# KiCad board austin.kicad_pcb
title: Austin PCB; date: 2022-11-24; rev: v2.2.6; company: Designed By Gondolindrim; note: In partnership with driftingbunnies and PheonixStarr
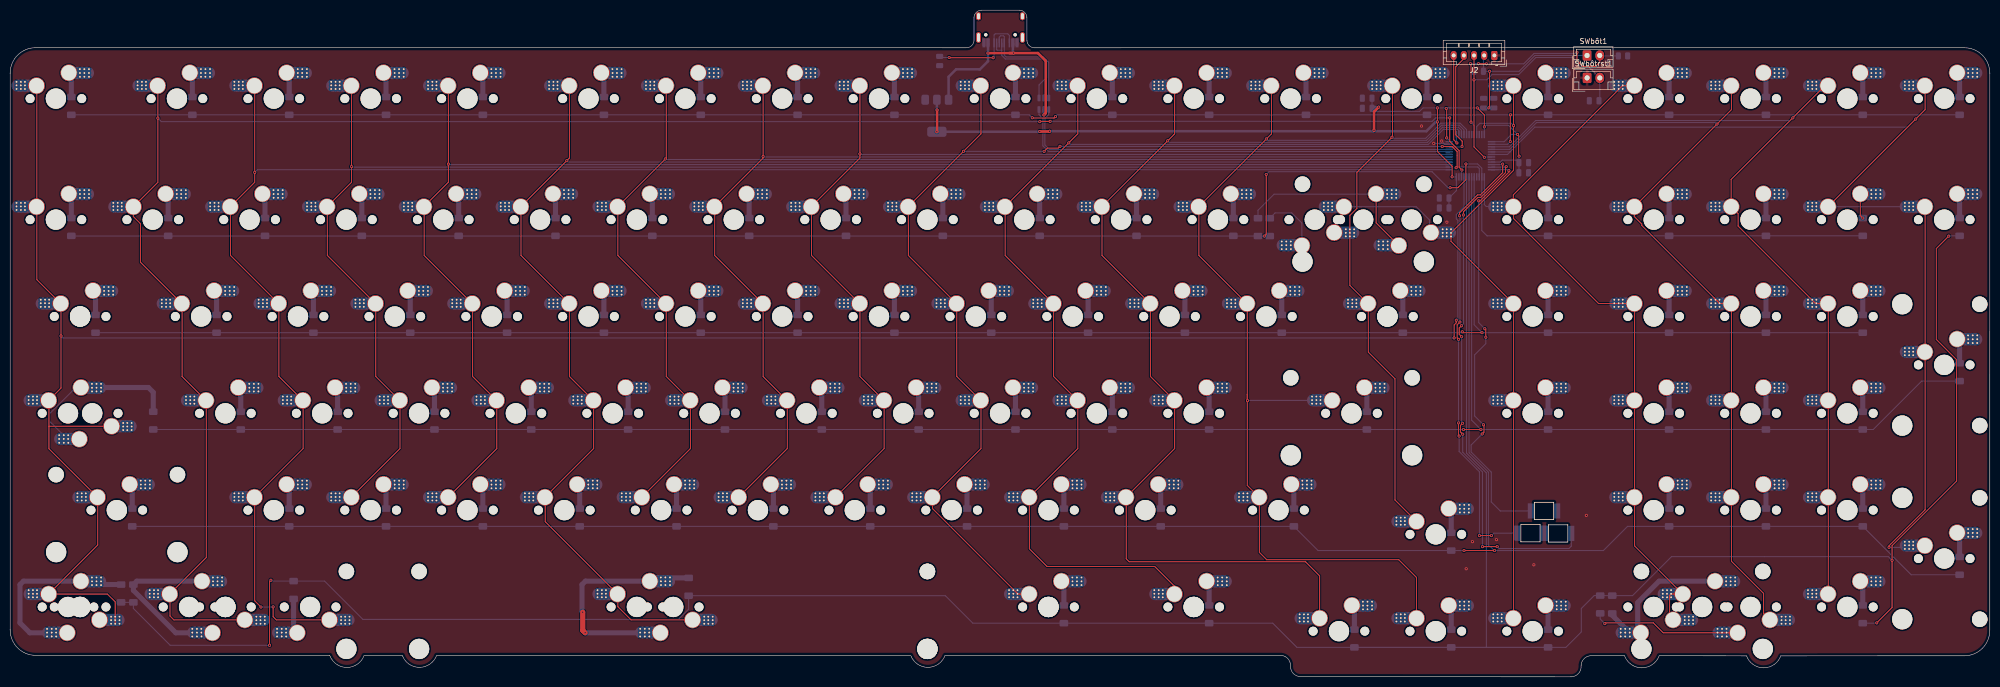
[diagram p0: board, top side]
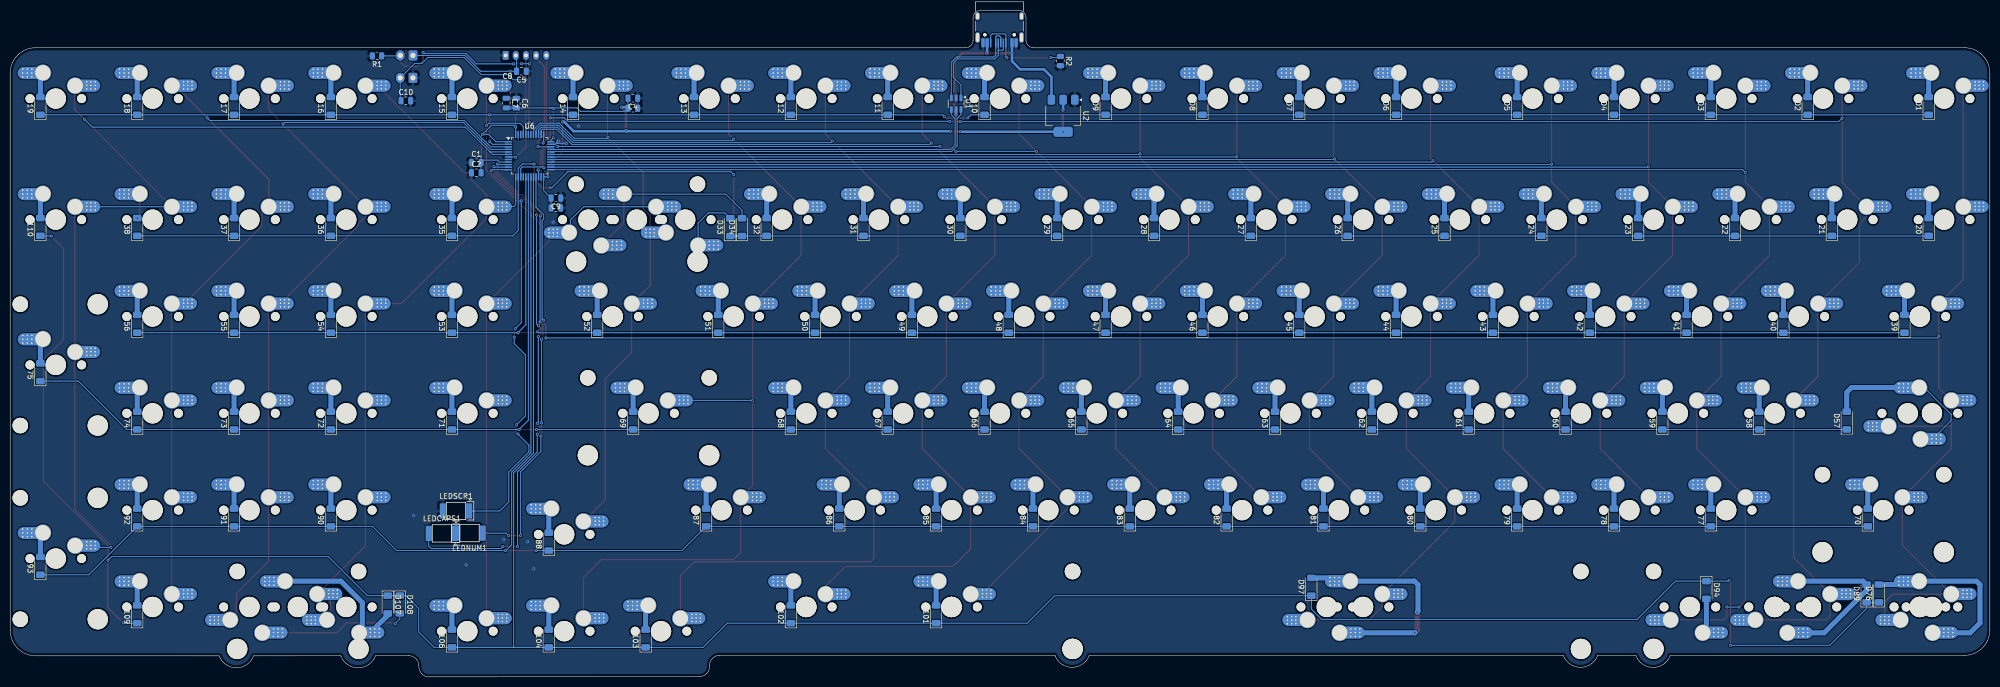
[diagram p1: board, bottom side, seen from below]

Outline 389.45 x 131.16 mm; copper layers: Top, Bottom. Coordinates in mm from the lower left corner of the outline.
Outline path: 0,118.77 arc(1.46,122.31) 5,123.77 188.11,123.76 arc(189.17,124.2) 189.61,125.26 189.61,129.66 arc(190.05,130.72) 191.11,131.16 198.52,131.16 arc(199.58,130.72) 200.02,129.66 200.02,125.26 arc(200.46,124.2) 201.52,123.76 384.45,123.76 arc(387.99,122.3) 389.45,118.76 389.44,9.14 arc(387.98,5.6) 384.44,4.14 348.32,4.13 arc(344.95,1.78) 341.58,4.13 324.41,4.16 arc(321,1.77) 317.58,4.16 311.04,4.16 arc(309.63,3.57) 309.04,2.16 arc(308.51,0.64) 307.04,0 253.87,0.04 arc(252.39,0.69) 251.88,2.23 arc(251.29,3.64) 249.88,4.23 183.92,4.22 arc(180.54,1.86) 177.16,4.22 83.9,4.22 arc(80.52,1.86) 77.14,4.22 69.63,4.2 arc(66.25,1.85) 62.87,4.2 5,4.23 arc(1.46,5.69) 0,9.23 0,118.77
Stack: Top 0.035mm / dielectric 1.51mm FR4 er 4.5 / Bottom 0.035mm

## Placement (name value [footprint] x y rotation side)
C1  100nF  [C_0805_2012Metric]  297.76 101.15 180 bottom
C2  4.7uF  [C_0805_2012Metric]  297.75 99.16 180 bottom
C3  100nF  [C_0805_2012Metric]  266.96 111.85 0 bottom
C4  4.7uF  [C_0805_2012Metric]  266.96 113.83 0 bottom
C5  100nF  [C_0805_2012Metric]  288.88 119.13 0 bottom
C6  4.7uF  [C_0805_2012Metric]  289.88 112.85 270 bottom
C7  100nF  [C_0805_2012Metric]  291.85 112.87 270 bottom
C8  4.7uF  [C_0805_2012Metric]  282.1 92.24 0 bottom
C9  4.7uF  [C_0805_2012Metric]  282.09 94.19 0 bottom
C10  4.7uF  [C_0805_2012Metric]  311.61 113.33 180 bottom
D1  D_Small  [D_MiniMELF]  12.03 112.32 90 bottom
D2  D_Small  [D_MiniMELF]  35.84 112.32 90 bottom
D3  D_Small  [D_MiniMELF]  54.89 112.32 90 bottom
D4  D_Small  [D_MiniMELF]  73.94 112.32 90 bottom
D5  D_Small  [D_MiniMELF]  92.99 112.32 90 bottom
D6  D_Small  [D_MiniMELF]  116.8 112.32 90 bottom
D7  D_Small  [D_MiniMELF]  135.86 112.32 90 bottom
D8  D_Small  [D_MiniMELF]  154.9 112.32 90 bottom
D9  D_Small  [D_MiniMELF]  173.95 112.32 90 bottom
D10  D_Small  [D_MiniMELF]  197.77 112.32 90 bottom
D11  D_Small  [D_MiniMELF]  216.82 112.32 90 bottom
D12  D_Small  [D_MiniMELF]  235.87 112.32 90 bottom
D13  D_Small  [D_MiniMELF]  254.92 112.32 90 bottom
D14  D_Small  [D_MiniMELF]  278.73 112.32 90 bottom
D15  D_Small  [D_MiniMELF]  302.54 112.32 90 bottom
D16  D_Small  [D_MiniMELF]  326.35 112.32 90 bottom
D17  D_Small  [D_MiniMELF]  345.4 112.32 90 bottom
D18  D_Small  [D_MiniMELF]  364.45 112.32 90 bottom
D19  D_Small  [D_MiniMELF]  383.5 112.32 90 bottom
D20  D_Small  [D_MiniMELF]  12.03 88.5 90 bottom
D21  D_Small  [D_MiniMELF]  31.08 88.5 90 bottom
D22  D_Small  [D_MiniMELF]  50.13 88.5 90 bottom
D23  D_Small  [D_MiniMELF]  69.18 88.5 90 bottom
D24  D_Small  [D_MiniMELF]  88.23 88.5 90 bottom
D25  D_Small  [D_MiniMELF]  107.28 88.5 90 bottom
D26  D_Small  [D_MiniMELF]  126.33 88.5 90 bottom
D27  D_Small  [D_MiniMELF]  145.38 88.5 90 bottom
D28  D_Small  [D_MiniMELF]  164.43 88.5 90 bottom
D29  D_Small  [D_MiniMELF]  183.48 88.5 90 bottom
D30  D_Small  [D_MiniMELF]  202.53 88.5 90 bottom
D31  D_Small  [D_MiniMELF]  221.58 88.5 90 bottom
D32  D_Small  [D_MiniMELF]  240.63 88.5 90 bottom
D33  D_Small  [D_MiniMELF]  247.79 88.47 90 bottom
D34  D_Small  [D_MiniMELF]  245.48 88.47 90 bottom
D35  D_Small  [D_MiniMELF]  302.54 88.5 90 bottom
D36  D_Small  [D_MiniMELF]  326.35 88.5 90 bottom
D37  D_Small  [D_MiniMELF]  345.4 88.5 90 bottom
D38  D_Small  [D_MiniMELF]  364.45 88.5 90 bottom
D39  D_Small  [D_MiniMELF]  16.79 69.45 90 bottom
D40  D_Small  [D_MiniMELF]  40.61 69.45 90 bottom
D41  D_Small  [D_MiniMELF]  59.65 69.45 90 bottom
D42  D_Small  [D_MiniMELF]  78.7 69.45 90 bottom
D43  D_Small  [D_MiniMELF]  97.76 69.45 90 bottom
D44  D_Small  [D_MiniMELF]  116.8 69.45 90 bottom
D45  D_Small  [D_MiniMELF]  135.86 69.45 90 bottom
D46  D_Small  [D_MiniMELF]  154.9 69.45 90 bottom
D47  D_Small  [D_MiniMELF]  173.95 69.45 90 bottom
D48  D_Small  [D_MiniMELF]  193 69.45 90 bottom
D49  D_Small  [D_MiniMELF]  212.06 69.45 90 bottom
D50  D_Small  [D_MiniMELF]  231.1 69.45 90 bottom
D51  D_Small  [D_MiniMELF]  250.15 69.45 90 bottom
D52  D_Small  [D_MiniMELF]  273.97 69.45 90 bottom
D53  D_Small  [D_MiniMELF]  302.54 69.45 90 bottom
D54  D_Small  [D_MiniMELF]  326.35 69.45 90 bottom
D55  D_Small  [D_MiniMELF]  345.4 69.45 90 bottom
D56  D_Small  [D_MiniMELF]  364.45 69.45 90 bottom
D57  D_Small  [D_MiniMELF]  28.15 50.41 90 bottom
D58  D_Small  [D_MiniMELF]  45.37 50.41 90 bottom
D59  D_Small  [D_MiniMELF]  64.42 50.41 90 bottom
D60  D_Small  [D_MiniMELF]  83.47 50.41 90 bottom
D61  D_Small  [D_MiniMELF]  102.52 50.41 90 bottom
D62  D_Small  [D_MiniMELF]  121.57 50.41 90 bottom
D63  D_Small  [D_MiniMELF]  140.62 50.41 90 bottom
D64  D_Small  [D_MiniMELF]  159.67 50.41 90 bottom
D65  D_Small  [D_MiniMELF]  178.72 50.41 90 bottom
D66  D_Small  [D_MiniMELF]  197.77 50.41 90 bottom
D67  D_Small  [D_MiniMELF]  216.82 50.41 90 bottom
D68  D_Small  [D_MiniMELF]  235.87 50.41 90 bottom
D69  D_Small  [D_MiniMELF]  266.9 50.41 90 bottom
D70  D_Small  [D_MiniMELF]  24.01 31.35 90 bottom
D71  D_Small  [D_MiniMELF]  302.54 50.41 90 bottom
D72  D_Small  [D_MiniMELF]  326.35 50.41 90 bottom
D73  D_Small  [D_MiniMELF]  345.4 50.41 90 bottom
D74  D_Small  [D_MiniMELF]  364.45 50.41 90 bottom
D75  D_Small  [D_MiniMELF]  383.5 59.93 90 bottom
D76  D_Small  [D_MiniMELF]  21.82 16.41 90 bottom
D77  D_Small  [D_MiniMELF]  54.89 31.35 90 bottom
D78  D_Small  [D_MiniMELF]  73.94 31.35 90 bottom
D79  D_Small  [D_MiniMELF]  92.99 31.35 90 bottom
D80  D_Small  [D_MiniMELF]  112.04 31.35 90 bottom
D81  D_Small  [D_MiniMELF]  131.09 31.35 90 bottom
D82  D_Small  [D_MiniMELF]  150.14 31.35 90 bottom
D83  D_Small  [D_MiniMELF]  169.19 31.35 90 bottom
D84  D_Small  [D_MiniMELF]  188.24 31.35 90 bottom
D85  D_Small  [D_MiniMELF]  207.29 31.35 90 bottom
D86  D_Small  [D_MiniMELF]  226.34 31.35 90 bottom
D87  D_Small  [D_MiniMELF]  252.54 31.35 90 bottom
D88  D_Small  [D_MiniMELF]  283.49 26.59 90 bottom
D89  D_Small  [D_MiniMELF]  24.24 16.41 90 bottom
D90  D_Small  [D_MiniMELF]  326.35 31.35 90 bottom
D91  D_Small  [D_MiniMELF]  345.4 31.35 90 bottom
D92  D_Small  [D_MiniMELF]  364.45 31.35 90 bottom
D93  D_Small  [D_MiniMELF]  383.5 21.83 90 bottom
D94  D_Small  [D_MiniMELF]  55.76 17.08 270 bottom
D97  D_Small  [D_MiniMELF]  133.47 17.71 90 bottom
D101  D_Small  [D_MiniMELF]  207.29 12.3 90 bottom
D102  D_Small  [D_MiniMELF]  235.87 12.3 90 bottom
D103  D_Small  [D_MiniMELF]  264.44 7.54 90 bottom
D104  D_Small  [D_MiniMELF]  283.49 7.54 90 bottom
D106  D_Small  [D_MiniMELF]  302.54 7.54 90 bottom
D107  D_Small  [D_MiniMELF]  315.17 14.22 270 bottom
D108  D_Small  [D_MiniMELF]  312.8 14.23 270 bottom
D109  D_Small  [D_MiniMELF]  364.45 12.3 90 bottom
D110  D_Small  [D_MiniMELF]  383.5 88.5 90 bottom
J1  USB_C_Receptacle_USB2.0_16P  [USB_C_Receptacle_HRO_TYPE-C-31-M-12]  194.81 128.91 0 bottom
J2  Conn_01x05_Socket  [JST_PH_B5B-PH-K_1x05_P2.00mm_Vertical]  291.97 122.25 180 top
LEDCAPS1  LED  [LED-6028]  304.52 23.13 0 bottom
LEDNUM1  LED  [LED-6028]  299.08 33.35 180 bottom
LEDSCR1  LED  [LED-6028#2]  301.75 27.55 0 bottom
R1  R_Small  [R_0805_2012Metric]  317.28 122.15 0 bottom
R2  R_Small  [R_0805_2012Metric]  182.85 121.15 270 bottom
SW1  SW_Push  [MXOnly-1U-Hotswap]  9 113.76 0 top
SW2  SW_Push  [MXOnly-1U-Hotswap]  32.81 113.76 0 top
SW3  SW_Push  [MXOnly-1U-Hotswap]  51.86 113.76 0 top
SW4  SW_Push  [MXOnly-1U-Hotswap]  70.91 113.76 0 top
SW5  SW_Push  [MXOnly-1U-Hotswap]  89.96 113.76 0 top
SW6  SW_Push  [MXOnly-1U-Hotswap]  113.77 113.76 0 top
SW7  SW_Push  [MXOnly-1U-Hotswap]  132.82 113.76 0 top
SW8  SW_Push  [MXOnly-1U-Hotswap]  151.88 113.76 0 top
SW9  SW_Push  [MXOnly-1U-Hotswap]  170.92 113.76 0 top
SW10  SW_Push  [MXOnly-1U-Hotswap]  194.74 113.76 0 top
SW11  SW_Push  [MXOnly-1U-Hotswap]  213.79 113.76 0 top
SW12  SW_Push  [MXOnly-1U-Hotswap]  232.84 113.76 0 top
SW13  SW_Push  [MXOnly-1U-Hotswap]  251.89 113.76 0 top
SW14  SW_Push  [MXOnly-1U-Hotswap]  275.7 113.76 0 top
SW15  SW_Push  [MXOnly-1U-Hotswap]  299.51 113.76 0 top
SW16  SW_Push  [MXOnly-1U-Hotswap]  323.32 113.76 0 top
SW17  SW_Push  [MXOnly-1U-Hotswap]  342.38 113.76 0 top
SW18  SW_Push  [MXOnly-1U-Hotswap]  361.42 113.76 0 top
SW19  SW_Push  [MXOnly-1U-Hotswap]  380.47 113.76 0 top
SW20  SW_Push  [MXOnly-1U-Hotswap]  9 89.94 0 top
SW21  SW_Push  [MXOnly-1U-Hotswap]  28.05 89.94 0 top
SW22  SW_Push  [MXOnly-1U-Hotswap]  47.1 89.94 0 top
SW23  SW_Push  [MXOnly-1U-Hotswap]  66.15 89.94 0 top
SW24  SW_Push  [MXOnly-1U-Hotswap]  85.2 89.94 0 top
SW25  SW_Push  [MXOnly-1U-Hotswap]  104.25 89.94 0 top
SW26  SW_Push  [MXOnly-1U-Hotswap]  123.3 89.94 0 top
SW27  SW_Push  [MXOnly-1U-Hotswap]  142.35 89.94 0 top
SW28  SW_Push  [MXOnly-1U-Hotswap]  161.4 89.94 0 top
SW29  SW_Push  [MXOnly-1U-Hotswap]  180.45 89.94 0 top
SW30  SW_Push  [MXOnly-1U-Hotswap]  199.5 89.94 0 top
SW31  SW_Push  [MXOnly-1U-Hotswap]  218.55 89.94 0 top
SW32  SW_Push  [MXOnly-1U-Hotswap]  237.6 89.94 0 top
SW33  SW_Push  [MXOnly-1U-Hotswap]  256.65 89.94 180 top
SW34  SW_Push  [MXOnly-1U-Hotswap]  275.7 89.94 180 top
SW35  SW_Push  [MXOnly-1U-Hotswap]  299.51 89.94 0 top
SW36  SW_Push  [MXOnly-1U-Hotswap]  323.32 89.94 0 top
SW37  SW_Push  [MXOnly-1U-Hotswap]  342.38 89.94 0 top
SW38  SW_Push  [MXOnly-1U-Hotswap]  361.42 89.94 0 top
SW39  SW_Push  [MXOnly-1.5U-Hotswap]  13.76 70.89 0 top
SW40  SW_Push  [MXOnly-1U-Hotswap]  37.58 70.89 0 top
SW41  SW_Push  [MXOnly-1U-Hotswap]  56.62 70.89 0 top
SW42  SW_Push  [MXOnly-1U-Hotswap]  75.67 70.89 0 top
SW43  SW_Push  [MXOnly-1U-Hotswap]  94.73 70.89 0 top
SW44  SW_Push  [MXOnly-1U-Hotswap]  113.77 70.89 0 top
SW45  SW_Push  [MXOnly-1U-Hotswap]  132.82 70.89 0 top
SW46  SW_Push  [MXOnly-1U-Hotswap]  151.88 70.89 0 top
SW47  SW_Push  [MXOnly-1U-Hotswap]  170.92 70.89 0 top
SW48  SW_Push  [MXOnly-1U-Hotswap]  189.97 70.89 0 top
SW49  SW_Push  [MXOnly-1U-Hotswap]  209.02 70.89 0 top
SW50  SW_Push  [MXOnly-1U-Hotswap]  228.07 70.89 0 top
SW51  SW_Push  [MXOnly-1U-Hotswap]  247.12 70.89 0 top
SW52  SW_Push  [MXOnly-1.5U-Hotswap]  270.94 70.89 0 top
SW53  SW_Push  [MXOnly-1U-Hotswap]  299.51 70.89 0 top
SW54  SW_Push  [MXOnly-1U-Hotswap]  323.32 70.89 0 top
SW55  SW_Push  [MXOnly-1U-Hotswap]  342.38 70.89 0 top
SW56  SW_Push  [MXOnly-1U-Hotswap]  361.42 70.89 0 top
SW57  SW_Push  [MXOnly-1.75U-Hotswap]  16.14 51.84 180 top
SW58  SW_Push  [MXOnly-1U-Hotswap]  42.34 51.84 0 top
SW59  SW_Push  [MXOnly-1U-Hotswap]  61.39 51.84 0 top
SW60  SW_Push  [MXOnly-1U-Hotswap]  80.44 51.84 0 top
SW61  SW_Push  [MXOnly-1U-Hotswap]  99.49 51.84 0 top
SW62  SW_Push  [MXOnly-1U-Hotswap]  118.54 51.84 0 top
SW63  SW_Push  [MXOnly-1U-Hotswap]  137.59 51.84 0 top
SW64  SW_Push  [MXOnly-1U-Hotswap]  156.64 51.84 0 top
SW65  SW_Push  [MXOnly-1U-Hotswap]  175.69 51.84 0 top
SW66  SW_Push  [MXOnly-1U-Hotswap]  194.74 51.84 0 top
SW67  SW_Push  [MXOnly-1U-Hotswap]  213.79 51.84 0 top
SW68  SW_Push  [MXOnly-1U-Hotswap]  232.84 51.84 0 top
SW69  SW_Push  [MXOnly-2.25U-Hotswap]  263.87 51.84 0 top
SW70  SW_Push  [MXOnly-2.25U-Hotswap]  20.98 32.79 0 top
SW71  SW_Push  [MXOnly-1U-Hotswap]  299.51 51.84 0 top
SW72  SW_Push  [MXOnly-1U-Hotswap]  323.32 51.84 0 top
SW73  SW_Push  [MXOnly-1U-Hotswap]  342.38 51.84 0 top
SW74  SW_Push  [MXOnly-1U-Hotswap]  361.42 51.84 0 top
SW75  SW_Push  [MXOnly-2U-Hotswap-ReversedVerticalStabilizers]  380.47 61.37 0 top
SW76  SW_Push  [MXOnly-1.25U-Hotswap]  11.38 13.74 0 top
SW77  SW_Push  [MXOnly-1U-Hotswap]  51.86 32.79 0 top
SW78  SW_Push  [MXOnly-1U-Hotswap]  70.91 32.79 0 top
SW79  SW_Push  [MXOnly-1U-Hotswap]  89.96 32.79 0 top
SW80  SW_Push  [MXOnly-1U-Hotswap]  109.01 32.79 0 top
SW81  SW_Push  [MXOnly-1U-Hotswap]  128.06 32.79 0 top
SW82  SW_Push  [MXOnly-1U-Hotswap]  147.11 32.79 0 top
SW83  SW_Push  [MXOnly-1U-Hotswap]  166.16 32.79 0 top
SW84  SW_Push  [MXOnly-1U-Hotswap]  185.21 32.79 0 top
SW85  SW_Push  [MXOnly-1U-Hotswap]  204.26 32.79 0 top
SW86  SW_Push  [MXOnly-1U-Hotswap]  223.31 32.79 0 top
SW87  SW_Push  [MXOnly-1.75U-Hotswap]  249.51 32.79 0 top
SW88  SW_Push  [MXOnly-1U-Hotswap]  280.46 28.03 0 top
SW89  SW_Push  [MXOnly-1.25U-Hotswap]  35.19 13.74 0 top
SW90  SW_Push  [MXOnly-1U-Hotswap]  323.32 32.79 0 top
SW91  SW_Push  [MXOnly-1U-Hotswap]  342.38 32.79 0 top
SW92  SW_Push  [MXOnly-1U-Hotswap]  361.42 32.79 0 top
SW93  SW_Push  [MXOnly-2U-Hotswap-ReversedVerticalStabilizers]  380.47 23.27 0 top
SW94  SW_Push  [MXOnly-1.25U-Hotswap]  59.01 13.74 180 top
SW97  SW_Push  [MXOnly-6.25U-Hotswap-ReversedStabilizers]  130.44 13.74 180 top
SW101  SW_Push  [MXOnly-1.5U-Hotswap]  204.26 13.74 0 top
SW102  SW_Push  [MXOnly-1.5U-Hotswap]  232.84 13.74 0 top
SW103  SW_Push  [MXOnly-1U-Hotswap]  261.41 8.98 0 top
SW104  SW_Push  [MXOnly-1U-Hotswap]  280.46 8.98 0 top
SW106  SW_Push  [MXOnly-1U-Hotswap]  299.51 8.98 0 top
SW107  SW_Push  [MXOnly-1U-Hotswap]  323.32 13.74 180 top
SW108  SW_Push  [MXOnly-1U-Hotswap]  342.38 13.74 180 top
SW109  SW_Push  [MXOnly-1U-Hotswap]  361.42 13.74 0 top
SW110  SW_Push  [MXOnly-1U-Hotswap]  380.47 89.94 0 top
SW1000  SW_Push  [MXOnly-2U-Hotswap]  266.17 89.94 0 top
SW1001  SW_Push  [MXOnly-1.25U-Hotswap]  11.38 51.84 0 top
SW1002  SW_Push  [MXOnly-2U-Hotswap]  332.85 13.74 0 top
SW1003  SW_Push  [MXOnly-7U-Hotswap]  123.3 13.75 0 top
SW1004  SW_Push  [MXOnly-1.5U-Hotswap]  42.34 13.74 180 top
SW1005  SW_Push  [MXOnly-1.5U-Hotswap]  13.76 13.74 180 top
SWbôt1  SW_Push  [JST_EH_B2B-EH-A_1x02_P2.50mm_Vertical]  310.21 122.24 0 top
SWbôtrst1  SW_Push  [JST_EH_B2B-EH-A_1x02_P2.50mm_Vertical]  310.22 117.83 0 top
U1  USBLC6-2SC6  [SOT-23-6]  203.35 112.74 270 bottom
U2  AMS1117  [SOT-223-3_TabPin2]  182.31 110.38 270 bottom
U6  STM32F072-LQFP48  [LQFP-48_7x7mm_P0.5mm]  287.25 102.52 180 bottom

## Library data of the parts
C1-C10 = -: Description: Unpolarized capacitor, small symbol; ki_fp_filters: C_*
D1-D94 D97 D101-D104 D106-D110 = -: Description: Diode, small symbol; Sim.Device: D; Sim.Pins: 1=K 2=A; ki_fp_filters: TO-???* *_Diode_* *SingleDiode* D_*
J1 = -: Datasheet: https://www.usb.org/sites/default/files/documents/usb_type-c.zip; Description: USB 2.0-only 16P Type-C Receptacle connector; ki_fp_filters: USB*C*Receptacle*
J2 = -: Description: Generic connector, single row, 01x05, script generated; ki_fp_filters: Connector*:*_1x??_*
LEDCAPS1 LEDNUM1 LEDSCR1 = -: Description: Light emitting diode; ki_fp_filters: LED* LED_SMD:* LED_THT:*
R1 R2 = -: Description: Resistor, small symbol; ki_fp_filters: R_*
SW1-SW94 SW97 SW101-SW104 SW106-SW110 SW1000-SW1005 SWbôt1 SWbôtrst1 = -: Description: Push button switch, generic, two pins
U1 = -: Datasheet: https://www.st.com/resource/en/datasheet/usblc6-2.pdf; Description: Very low capacitance ESD protection diode, 2 data-line, SOT-23-6; ki_fp_filters: SOT?23*
U2 = -: Datasheet: http://www.advanced-monolithic.com/pdf/ds1117.pdf; Description: 1A Low Dropout regulator, positive, adjustable output, SOT-223; ki_fp_filters: SOT?223*TabPin2*

## Footprints (pads in the part's own frame, mm; a bottom-side part is the same pattern mirrored in y, then rotated)
C_0805_2012Metric
  rrect 1x1.45 smd: 1(-0.95,0) 2(0.95,0)
D_MiniMELF
  rrect 1.3x1.7 smd: 1(-1.75,0) 2(1.75,0)
JST_EH_B2B-EH-A_1x02_P2.50mm_Vertical
  rrect 1.7x2 hole 1: 1(0,0)
  oval 1.7x2 hole 1: 2(2.5,0)
JST_PH_B5B-PH-K_1x05_P2.00mm_Vertical
  rrect 1.2x1.75 hole 0.75: 1(0,0)
  oval 1.2x1.75 hole 0.75: 2(2,0) 3(4,0) 4(6,0) 5(8,0)
LED-6028
  rect 1.19x3 smd: 1(2.595,-5.08) 2(-2.595,-5.08)
LED-6028#2
  rect 1.19x3 smd: 1(-2.595,-5.08) 2(2.595,-5.08)
LQFP-48_7x7mm_P0.5mm
  rrect 1.475x0.3 smd: 1(-4.162,2.75) 2(-4.162,2.25) 3(-4.162,1.75) 4(-4.162,1.25) 5(-4.162,0.75) 6(-4.162,0.25) 7(-4.162,-0.25) 8(-4.162,-0.75) 9(-4.162,-1.25) 10(-4.162,-1.75) 11(-4.162,-2.25) 12(-4.162,-2.75) 25(4.162,-2.75) 26(4.162,-2.25) 27(4.162,-1.75) 28(4.162,-1.25) 29(4.162,-0.75) 30(4.162,-0.25) 31(4.162,0.25) 32(4.162,0.75) 33(4.162,1.25) 34(4.162,1.75) 35(4.162,2.25) 36(4.162,2.75)
  rrect 0.3x1.475 smd: 13(-2.75,-4.162) 14(-2.25,-4.162) 15(-1.75,-4.162) 16(-1.25,-4.162) 17(-0.75,-4.162) 18(-0.25,-4.162) 19(0.25,-4.162) 20(0.75,-4.162) 21(1.25,-4.162) 22(1.75,-4.162) 23(2.25,-4.162) 24(2.75,-4.162) 37(2.75,4.162) 38(2.25,4.162) 39(1.75,4.162) 40(1.25,4.162) 41(0.75,4.162) 42(0.25,4.162) 43(-0.25,4.162) 44(-0.75,4.162) 45(-1.25,4.162) 46(-1.75,4.162) 47(-2.25,4.162) 48(-2.75,4.162)
MXOnly-1.5U-Hotswap
  round 1.75 hole 1.75 unplated: (-5.08,0) (5.08,0)
  round 3.988 hole 3.988 unplated: (0,0)
  round 4 hole 4 unplated: (0,0)
  round 3.3 hole 3: 1(2.54,5.08) 2(-3.81,2.54)
  round 0.4 hole 0.3: 1(4.7,5.8) 1(4.725,5.035) 1(4.725,4.3) 1(5.6,5.8) 1(5.6,5.035) 1(5.6,4.3) 1(6.5,5.8) 1(6.5,5.035) 1(6.5,4.3) 2(-7.75,3.3) 2(-7.75,2.6) 2(-7.75,1.9) 2(-6.9,3.3) 2(-6.9,2.6) 2(-6.9,1.9) 2(-6.1,3.3) 2(-6.1,2.6) 2(-6.1,1.9)
  oval 5.5x2.41 smd far side: 1(4.75,5.035) 2(-6,2.55)
MXOnly-1.25U-Hotswap
  round 1.75 hole 1.75 unplated: (-5.08,0) (5.08,0)
  round 3.988 hole 3.988 unplated: (0,0)
  round 3.3 hole 3: 1(2.54,5.08) 2(-3.81,2.54)
  round 0.4 hole 0.3: 1(4.7,5.8) 1(4.725,5.035) 1(4.725,4.3) 1(5.6,5.8) 1(5.6,5.035) 1(5.6,4.3) 1(6.5,5.8) 1(6.5,5.035) 1(6.5,4.3) 2(-7.75,3.3) 2(-7.75,2.6) 2(-7.75,1.9) 2(-6.9,3.3) 2(-6.9,2.6) 2(-6.9,1.9) 2(-6.1,3.3) 2(-6.1,2.6) 2(-6.1,1.9)
  oval 5.5x2.41 smd far side: 1(4.75,5.035) 2(-6,2.55)
MXOnly-1.75U-Hotswap
  round 1.75 hole 1.75 unplated: (-5.08,0) (5.08,0)
  round 3.988 hole 3.988 unplated: (0,0)
  round 3.3 hole 3: 1(2.54,5.08) 2(-3.81,2.54)
  round 0.4 hole 0.3: 1(4.7,5.8) 1(4.725,5.035) 1(4.725,4.3) 1(5.6,5.8) 1(5.6,5.035) 1(5.6,4.3) 1(6.5,5.8) 1(6.5,5.035) 1(6.5,4.3) 2(-7.75,3.3) 2(-7.75,2.6) 2(-7.75,1.9) 2(-6.9,3.3) 2(-6.9,2.6) 2(-6.9,1.9) 2(-6.1,3.3) 2(-6.1,2.6) 2(-6.1,1.9)
  oval 5.5x2.41 smd far side: 1(4.75,5.035) 2(-6,2.55)
MXOnly-1U-Hotswap
  round 1.75 hole 1.75 unplated: (-5.08,0) (5.08,0)
  round 3.988 hole 3.988 unplated: (0,0)
  round 3.3 hole 3: 1(2.54,5.08) 2(-3.81,2.54)
  round 0.4 hole 0.3: 1(4.7,5.8) 1(4.725,5.035) 1(4.725,4.3) 1(5.6,5.8) 1(5.6,5.035) 1(5.6,4.3) 1(6.5,5.8) 1(6.5,5.035) 1(6.5,4.3) 2(-7.75,3.3) 2(-7.75,2.6) 2(-7.75,1.9) 2(-6.9,3.3) 2(-6.9,2.6) 2(-6.9,1.9) 2(-6.1,3.3) 2(-6.1,2.6) 2(-6.1,1.9)
  oval 5.5x2.41 smd far side: 1(4.75,5.035) 2(-6,2.55)
MXOnly-2.25U-Hotswap
  round 3.048 hole 3.048 unplated: (-11.938,6.985) (11.938,6.985)
  round 3.988 hole 3.988 unplated: (-11.938,-8.255) (0,0) (11.938,-8.255)
  round 1.75 hole 1.75 unplated: (-5.08,0) (5.08,0)
  round 3.3 hole 3: 1(2.54,5.08) 2(-3.81,2.54)
  round 0.4 hole 0.3: 1(4.7,5.8) 1(4.725,5.035) 1(4.725,4.3) 1(5.6,5.8) 1(5.6,5.035) 1(5.6,4.3) 1(6.5,5.8) 1(6.5,5.035) 1(6.5,4.3) 2(-7.75,3.3) 2(-7.75,2.6) 2(-7.75,1.9) 2(-6.9,3.3) 2(-6.9,2.6) 2(-6.9,1.9) 2(-6.1,3.3) 2(-6.1,2.6) 2(-6.1,1.9)
  oval 5.5x2.41 smd far side: 1(4.75,5.035) 2(-6,2.55)
MXOnly-2U-Hotswap
  round 3.048 hole 3.048 unplated: (-11.938,6.985) (11.938,6.985)
  round 3.988 hole 3.988 unplated: (-11.938,-8.255) (0,0) (11.938,-8.255)
  round 1.75 hole 1.75 unplated: (-5.08,0) (5.08,0)
  round 3.3 hole 3: 1(2.54,5.08) 2(-3.81,2.54)
  round 0.4 hole 0.3: 1(4.7,5.8) 1(4.725,5.035) 1(4.725,4.3) 1(5.6,5.8) 1(5.6,5.035) 1(5.6,4.3) 1(6.5,5.8) 1(6.5,5.035) 1(6.5,4.3) 2(-7.75,3.3) 2(-7.75,2.6) 2(-7.75,1.9) 2(-6.9,3.3) 2(-6.9,2.6) 2(-6.9,1.9) 2(-6.1,3.3) 2(-6.1,2.6) 2(-6.1,1.9)
  oval 5.5x2.41 smd far side: 1(4.75,5.035) 2(-6,2.55)
MXOnly-2U-Hotswap-ReversedVerticalStabilizers
  round 3.988 hole 3.988 unplated: (-8.255,11.938) (-8.255,-11.938) (0,0)
  round 1.75 hole 1.75 unplated: (-5.08,0) (5.08,0)
  round 3.048 hole 3.048 unplated: (6.985,11.938) (6.985,-11.938)
  round 3.3 hole 3: 1(2.54,5.08) 2(-3.81,2.54)
  round 0.4 hole 0.3: 1(4.7,5.8) 1(4.725,5.035) 1(4.725,4.3) 1(5.6,5.8) 1(5.6,5.035) 1(5.6,4.3) 1(6.5,5.8) 1(6.5,5.035) 1(6.5,4.3) 2(-7.75,3.3) 2(-7.75,2.6) 2(-7.75,1.9) 2(-6.9,3.3) 2(-6.9,2.6) 2(-6.9,1.9) 2(-6.1,3.3) 2(-6.1,2.6) 2(-6.1,1.9)
  oval 5.5x2.41 smd far side: 1(4.75,5.035) 2(-6,2.55)
MXOnly-6.25U-Hotswap-ReversedStabilizers
  round 3.988 hole 3.988 unplated: (-50,8.255) (0,0) (50,8.255)
  round 3.048 hole 3.048 unplated: (-50,-6.985) (50,-6.985)
  round 1.75 hole 1.75 unplated: (-5.08,0) (5.08,0)
  round 3.3 hole 3: 1(2.54,5.08) 2(-3.81,2.54)
  round 0.4 hole 0.3: 1(4.7,5.8) 1(4.725,5.035) 1(4.725,4.3) 1(5.6,5.8) 1(5.6,5.035) 1(5.6,4.3) 1(6.5,5.8) 1(6.5,5.035) 1(6.5,4.3) 2(-7.75,3.3) 2(-7.75,2.6) 2(-7.75,1.9) 2(-6.9,3.3) 2(-6.9,2.6) 2(-6.9,1.9) 2(-6.1,3.3) 2(-6.1,2.6) 2(-6.1,1.9)
  oval 5.5x2.41 smd far side: 1(4.75,5.035) 2(-6,2.55)
MXOnly-7U-Hotswap
  round 3.048 hole 3.048 unplated: (-57.15,6.985) (57.15,6.985)
  round 3.988 hole 3.988 unplated: (-57.15,-8.255) (0,0) (57.15,-8.255)
  round 1.75 hole 1.75 unplated: (-5.08,0) (5.08,0)
  round 3.3 hole 3: 1(2.54,5.08) 2(-3.81,2.54)
  round 0.4 hole 0.3: 1(4.7,5.8) 1(4.725,5.035) 1(4.725,4.3) 1(5.6,5.8) 1(5.6,5.035) 1(5.6,4.3) 1(6.5,5.8) 1(6.5,5.035) 1(6.5,4.3) 2(-7.75,3.3) 2(-7.75,2.6) 2(-7.75,1.9) 2(-6.9,3.3) 2(-6.9,2.6) 2(-6.9,1.9) 2(-6.1,3.3) 2(-6.1,2.6) 2(-6.1,1.9)
  oval 5.5x2.41 smd far side: 1(4.75,5.035) 2(-6,2.55)
R_0805_2012Metric
  rrect 1.025x1.4 smd: 1(-0.912,0) 2(0.912,0)
SOT-23-6
  rrect 1.325x0.6 smd: 1(-1.137,0.95) 2(-1.137,0) 3(-1.137,-0.95) 4(1.137,-0.95) 5(1.137,0) 6(1.137,0.95)
SOT-223-3_TabPin2
  rrect 2x1.5 smd: 1(-3.15,2.3) 2(-3.15,0) 3(-3.15,-2.3)
  rrect 2x3.8 smd: 2(3.15,0)
USB_C_Receptacle_HRO_TYPE-C-31-M-12
  round 0.65 hole 0.65 unplated: (-2.89,2.6) (2.89,2.6)
  rect 0.6x1.76 smd: A1(-3.25,4.2) A4(-2.45,4.2) B1(3.25,4.2) B4(2.45,4.2)
  rect 0.3x1.76 smd: A5(-1.25,4.2) A6(-0.25,4.2) A7(0.25,4.2) B5(1.75,4.2) B6(0.75,4.2) B7(-0.75,4.2)
  rect 0.6x1.45 smd: A9(2.45,4.045) A12(3.25,4.045) B9(-2.45,4.045) B12(-3.25,4.045)